# Altium PCB PROC054D_MMWCAS_RF_EVM.PcbDoc (part 3 of 14) (continued)
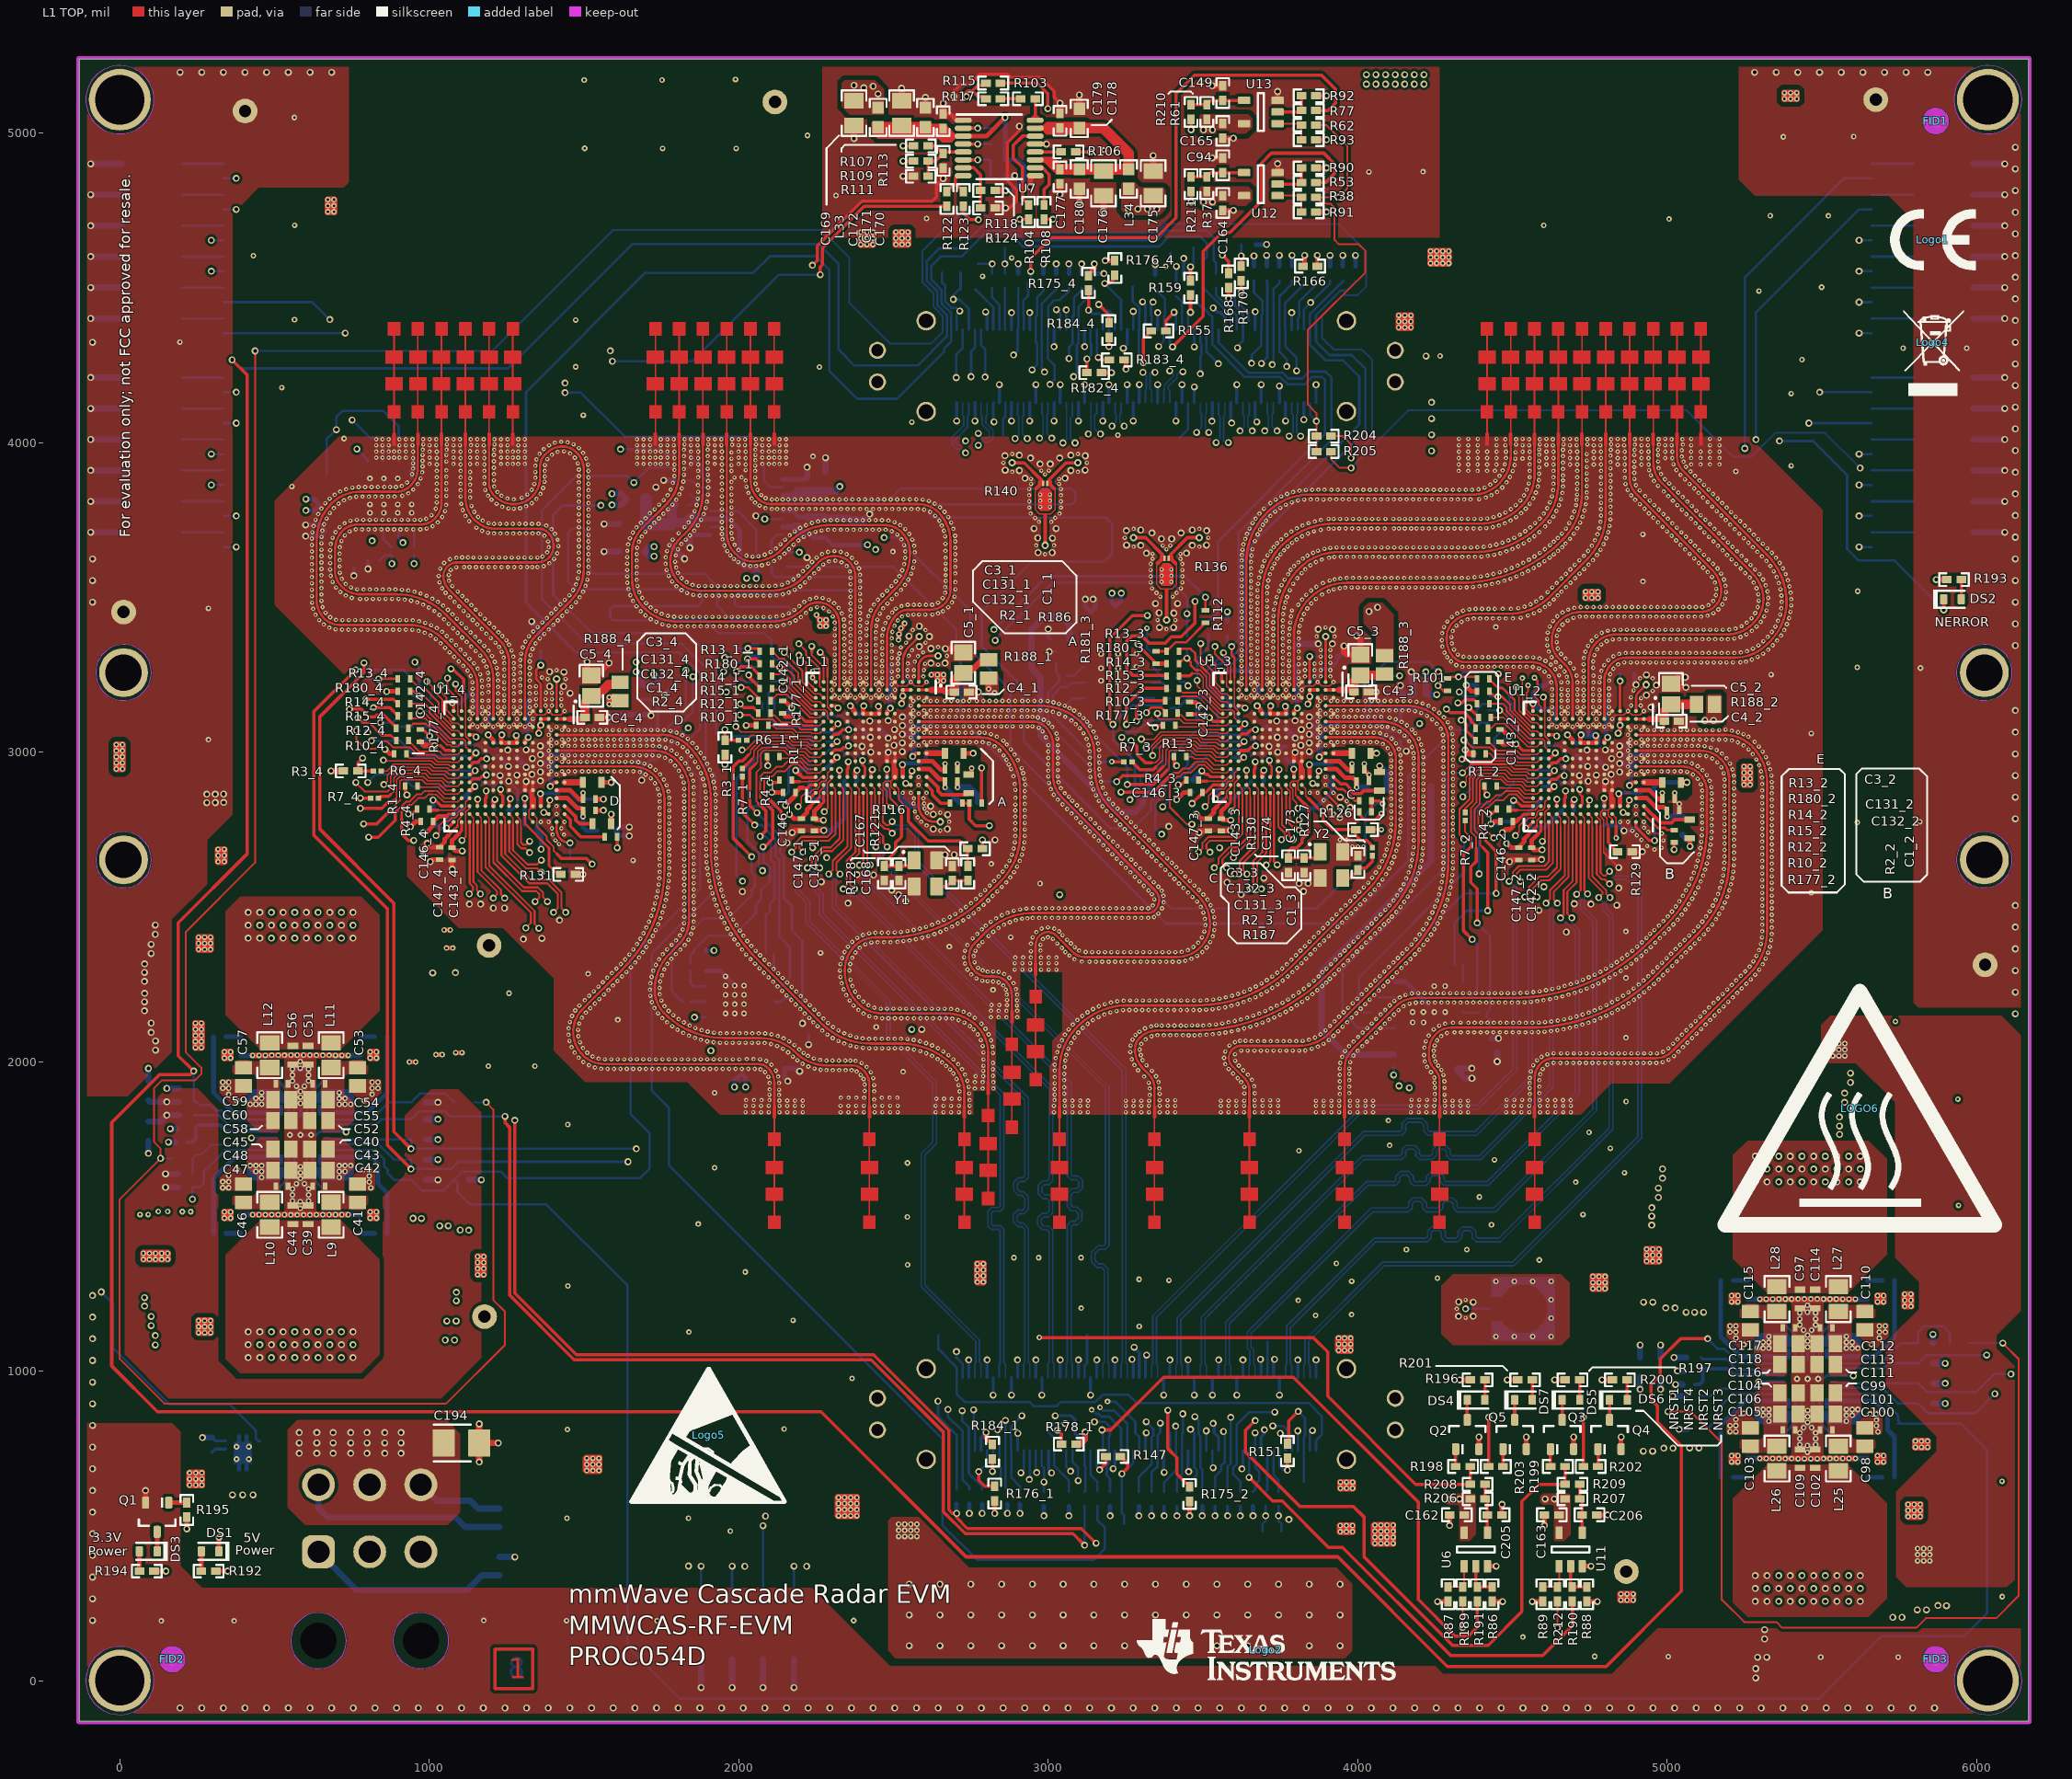
[diagram p0: L1 TOP view]
## Part data (continued)
C39 C44 C51 C56 C97 C102 C109 C114: library part CMP-0860888-1, "CAP, CERM, 6800 pF, 100 V,+/- 10%, X7R, AEC-Q200 Grade 1, 0603", Cap_Case=0603, Manufacturer=MuRata, TempCo=X7R, Tolerance_%=10%, Value2=100V, ValueDisplayed=6800pF, AEC Category=Q200, AEC Grade=1, AEC Qualified=Y, Cap_F=6.8nF, ComponentLink1Description="Datasheet link", ComponentLink1URL=https://www.murata.com/~/media/webrenewal/support/library/catalog/products/capacitor/mlcc/c03e.ashx?la=en-us, CompType=Capacitor, MountType=SMT, PackageReference=0603, PartNumber=GCM188R72A682KA37D, Polarized=N, RoHS=Y, SizeArea_mm2=1.28, SizeAreaWB_mm2=4.68, SizeX_mm=1.6, SizeY_mm=0.8, SizeZ_mm=1, TaMax_C=125°C, TaMin_C=-55°C, Technology=Ceramic, U/M=EA, VDC_V=100V
C40 C41 C45 C46 C52 C53 C57 C58 C98 C99 C103 C104 C110 C111 C115 C116: library part CMP-0008280-2, "CAP, CERM, 100 uF, 6.3 V, +/- 20%, X5R, 0805", Cap_Case=0805, Manufacturer=MuRata, TempCo=X5R, Tolerance_%=20%, Value1=Unknown, Value2=6.3V, ValueDisplayed=100uF, AEC Category=Q200, AEC Qualified=?, Cap_F=100µF, ComponentLink1Description="Datasheet link", ComponentLink1URL=https://sps06.itg.ti.com/sites/KMS/crossdivteams/altium/docs/ComponentDatasheets/100uF_6p3V_0805_GRM21BR60J107M.pdf, CompType=Capacitor, LatestRevisionDate=2017-03-09, MountType=SMT, PackageReference=0805, PartNumber=GRM21BR60J107M, Polarized=N, Published=2008-06-19, Publisher="Texas Instruments", SizeArea_mm2=2.5, SizeAreaWB_mm2=6.75, SizeX_mm=2, SizeY_mm=1.25, SizeZ_mm=1.45, TaMax_C=85°C, TaMin_C=-55°C, Technology=Ceramic, U/M=EA, VDC_V=6.3V
C42 C47 C54 C59 C63 C100 C105 C112 C117 C121: library part CMP-0080702-1, "CAP, CERM, 0.1 µF, 16 V,+/- 5%, X7R, AEC-Q200 Grade 1, 0402", Cap_Case=0402, Manufacturer=MuRata, Supplier Part Number 1=490-16433-1-ND, TempCo=X7R, Tolerance_%=5%, Value2=16V, ValueDisplayed=0.1µF, AEC Category=Q200, AEC Grade=1, AEC Qualified=Y, Cap_F=100nF, ComponentLink1Description="Datasheet link", ComponentLink1URL=https://search.murata.co.jp/Ceramy/image/img/A01X/G101/ENG/GCM155R71C104JA55-01.pdf, CompType=Capacitor, MountType=SMT, PackageReference=0402, PartNumber=GCM155R71C104JA55D, Polarized=N, RoHS=Y, SizeArea_mm2=0.5, SizeAreaWB_mm2=3, SizeX_mm=1, SizeY_mm=0.5, SizeZ_mm=0.6, Supplier 1=Digi-Key, Supplier 2=Mouser, Supplier Part Number 2=81-GCM155R71C104JA5D, TaMax_C=125°C, TaMin_C=-55°C, Technology=Ceramic, U/M=EA, VDC_V=16V
C43 C48 C55 C60 C101 C106 C113 C118: library part CMP-0081849-1, "CAP, CERM, 10 µF,  V,+/- 10%, X7R, 0805", Cap_Case=0805, Manufacturer=MuRata, Supplier Part Number 1=490-10516-2-ND, TempCo=X7R, Tolerance_%=10%, ValueDisplayed=10µF, AEC Category=Q200, AEC Grade=N/A, AEC Qualified=N, Cap_F=10µF, ComponentLink1Description="Datasheet link", ComponentLink1URL=https://search.murata.co.jp/Ceramy/image/img/A01X/G101/ENG/GRM21BR71A106KA73-01.pdf, CompType=Capacitor, Green_EU RoHS=Passed, Green_EU RoHS-2=Incomplete, Green_Lifecycle=Active, Green_REACh=Passed, MountType=SMT, PackageReference=0805, PartNumber=GRM21BR71A106KA73L, Polarized=N, RoHS=Y, SizeArea_mm2=2.5, SizeAreaWB_mm2=6.75, SizeX_mm=2, SizeY_mm=1.25, SizeZ_mm=1.45, Supplier 1=Digi-Key, Supplier 2=Mouser, Supplier Part Number 2=81-GRM21BR71A106KA3L, TaMax_C=125°C, TaMin_C=-55°C, Technology=Ceramic, U/M=EA, VDC_V=10V
C61 C62 C64 C65 C66 C67 C68 C69 C119 C120 C122 C123 C124 C125 C126 C127: library part CMP-0007890-1, "CAP, CERM, 22 uF, 10 V, +/- 20%, X7S, 0805", Cap_Case=0805, Manufacturer=TDK, Supplier Part Number 1=445-14560-1-ND, TempCo=X7S, Tolerance_%=20%, Value1="0.00205 ohm", Value2=10V, ValueDisplayed=22uF, AEC Category=Q200, AEC Grade=N/A, AEC Qualified=N, Cap_F=22µF, ComponentLink1Description="Datasheet link", ComponentLink1URL=https://product.tdk.com/en/search/capacitor/ceramic/mlcc/info?part_no=C2012X7S1A226M125AC, CompType=Capacitor, ESR_ohm=2.05m, IRMS_A=4.5559A, LatestRevisionDate=2017-03-09, MountType=SMT, PackageReference=0805, PartNumber=C2012X7S1A226M125AC, Polarized=N, Published=2008-06-19, Publisher="Texas Instruments", RoHS=Y, SizeArea_mm2=2.5, SizeAreaWB_mm2=6.75, SizeX_mm=2, SizeY_mm=1.25, SizeZ_mm=1.45, Supplier 1=Digi-Key, Supplier 2=Newark, Supplier Part Number 2=05X9251, TaMax_C=125°C, TaMin_C=-55°C, Technology=Ceramic, U/M=EA, VDC_V=10V
C167 C168 C173 C174: library part CMP-0006367-2, "CAP, CERM, 4.7 pF, 50 V, +/- 2%, C0G/NP0, 0402", Cap_Case=0402, Manufacturer=MuRata, Supplier Part Number 1=490-8102-1-ND, TempCo=C0G/NP0, Tolerance_%=2%, Value1=Unknown, Value2=50V, ValueDisplayed=4.7pF, AEC Category=Q200, AEC Grade=N/A, AEC Qualified=N, Cap_F=4.7pF, ComponentLink1Description="Datasheet link", ComponentLink1URL=http://psearch.murata.com/capacitor/product/GJM1555C1H4R7BB01%23.pdf, CompType=Capacitor, LatestRevisionDate=2017-03-09, MountType=SMT, PackageReference=0402, PartNumber=GJM1555C1H4R7BB01D, Polarized=N, Published=2008-06-19, Publisher="Texas Instruments", RoHS=Y, SizeArea_mm2=0.5, SizeAreaWB_mm2=3, SizeX_mm=1, SizeY_mm=0.5, SizeZ_mm=0.6, Supplier 1=Digi-Key, Supplier 2=Mouser, Supplier Part Number 2=81-GJM1555C1H4R7BB01, TaMax_C=125°C, TaMin_C=-55°C, Technology=Ceramic, U/M=EA, VDC_V=50V
C171 C178 C180 C183 C187 C189: library part CMP-0007134-5, "CAP, CERM, 2.2 uF, 6.3 V, +/- 10%, X7R, AEC-Q200 Grade 1, 0603", Cap_Case=0603, Manufacturer=MuRata, Supplier Part Number 1=490-5316-1-ND, TempCo=X7R, Tolerance_%=10%, Value1=Unknown, Value2=6.3V, ValueDisplayed=2.2uF, AEC Category=Q200, AEC Grade=1, AEC Qualified=Y, Cap_F=2.2µF, ComponentLink1Description="Datasheet link", ComponentLink1URL=http://psearch.en.murata.com/capacitor/product/GCM188R70J225KE22%23.pdf, CompType=Capacitor, LatestRevisionDate=2017-03-09, MountType=SMT, PackageReference=0603, PartNumber=GCM188R70J225KE22D, Polarized=N, Published=2008-06-19, Publisher="Texas Instruments", RoHS=Y, SizeArea_mm2=1.28, SizeAreaWB_mm2=4.68, SizeX_mm=1.6, SizeY_mm=0.8, SizeZ_mm=1, Supplier 1=Digi-Key, Supplier 2=Mouser, Supplier Part Number 2=81-GCM188R70J225KE2D, TaMax_C=125°C, TaMin_C=-55°C, Technology=Ceramic, U/M=EA, VDC_V=6.3V
C190 C191 C192 C193 C194: library part CMP-0078216-1, "CAP, TA, 47 µF, 10 V, +/- 10%, SMD", Cap_Case=3528-21, Manufacturer=Kemet, Supplier Part Number 1=399-9728-1-ND, Tolerance_%=10%, Value2=10V, ValueDisplayed=47µF, AEC Category=Q200, AEC Grade=N/A, AEC Qualified=N, Cap_F=47µF, ComponentLink1Description="Datasheet link", ComponentLink1URL=https://content.kemet.com/datasheets/KEM_T2005_T491.pdf, CompType=Capacitor, MountType=SMT, PackageReference=3528-21, PartNumber=T491B476K010AT, Polarized=Y, RoHS=Y, Series=T491, SizeArea_mm2=9.8, SizeAreaWB_mm2=17.1, SizeX_mm=3.5, SizeY_mm=2.8, SizeZ_mm=2.1, Supplier 1=Digi-Key, Supplier 2=Newark, Supplier 3=Mouser, Supplier Part Number 2=57K1819, Supplier Part Number 3=80-T491B476K010, TaMax_C=125°C, TaMin_C=-55°C, Technology=TA, VDC_V=10V
C195 C199: library part CMP-0078218-1, "CAP, CERM, 0.01 µF, 16 V,+/- 10%, X7R, 0402", Cap_Case=0402, Manufacturer=Kemet, Supplier Part Number 1=399-1038-1-ND, TempCo=X7R, Tolerance_%=10%, Value2=16V, ValueDisplayed=0.01µF, AEC Category=Q200, AEC Grade=N/A, AEC Qualified=N, Cap_F=10nF, ComponentLink1Description="Datasheet link", ComponentLink1URL=https://content.kemet.com/datasheets/KEM_C1002_X7R_SMD.pdf, CompType=Capacitor, Green_EU RoHS=Passed, Green_EU RoHS-2=Passed, Green_Lifecycle=Active, Green_REACh=Passed, MountType=SMT, PackageReference=0402, PartNumber=C0402C103K4RACTU, Polarized=N, RoHS=Y, SizeArea_mm2=0.5, SizeAreaWB_mm2=3, SizeX_mm=1, SizeY_mm=0.5, SizeZ_mm=0.6, Supplier 1=Digi-Key, Supplier 2=Newark, Supplier 3=Mouser, Supplier Part Number 2=66W8706, Supplier Part Number 3=80-C0402C103K4R, TaMax_C=125°C, TaMin_C=-55°C, Technology=Ceramic, U/M=EA, VDC_V=16V
DS1 DS2: library part CMP-0078197-1, "LED, Red, SMD", Color=Red, Manufacturer=Vishay-Semiconductor, Power_TotalModule=40mW, Supplier Part Number 1=TLMS1000-GS08CT-ND, Value1=.04W, Value2=1.8V, Angle=160, ComponentLink1Description="Datasheet link", ComponentLink1URL=http://www.vishay.com/docs/83172/tlmo1000.pdf, CompType=LED, Io_A=2mA, Ir_A=10µA, LatestRevisionDate=2017-10-12, MountType=SMT, PackageReference=1.6x0.8mm, PartNumber=TLMS1000-GS08, Published=2008-07-11, Publisher="Texas Instruments", RoHS=Y, SizeArea_mm2=1.28, SizeAreaWB_mm2=4.68, SizeX_mm=1.6, SizeY_mm=0.8, SizeZ_mm=0.65, Supplier 1=Digi-Key, Supplier 2=Newark, Supplier 3=Mouser, Supplier Part Number 2=35M3052, Supplier Part Number 3=78-TLMS1000, TJmax_C=120°C, Type=AlInGaP, U/M=EA, Vf_V=1.8V, Vr_V=6V
DS3 DS4 DS5 DS6 DS7: library part CMP-0078196-1, "LED, Yellow, SMD", Color=yellow, Manufacturer=Vishay-Semiconductor, Power_TotalModule=40mW, Supplier Part Number 1=TLMY1000-GS08CT-ND, Value1=.04W, Value2=1.8V, Angle=160, ComponentLink1Description="Datasheet link", ComponentLink1URL=http://www.vishay.com/docs/83172/tlmo1000.pdf, CompType=LED, Io_A=2mA, Ir_A=10µA, LatestRevisionDate=2017-10-12, MountType=SMT, PackageReference=1.6x0.8mm, PartNumber=TLMY1000-GS08, Published=2008-07-11, Publisher="Texas Instruments", RoHS=Y, SizeArea_mm2=1.28, SizeAreaWB_mm2=4.68, SizeX_mm=1.6, SizeY_mm=0.8, SizeZ_mm=0.65, Supplier 1=Digi-Key, Supplier 2=Newark, Supplier 3=Mouser, Supplier Part Number 2=78Y9599, Supplier Part Number 3=78-TLMY1000, TJmax_C=120°C, Type=AlInGaP, U/M=EA, Vf_V=1.8V, Vr_V=6V
FID1 FID2 FID3 FID4 FID5 FID6: library part CMP-0077181-1, "Fiducial mark.  There is nothing to buy or mount.", Manufacturer=N/A, ClassName=FiducialMark, CompType=Fiducial, MountType=N/A, PackageReference=N/A, PartNumber=N/A
J1_1 J1_2 J1_3 J1_4: library part CMP-0075594-2, "Header, 2.54mm, 6x2, Gold, SMT", Color=Black, Current_A=4.9A, Manufacturer=Samtec, Supplier Part Number 1=TSM-106-01-L-DV-ND, Voltage_V=475V, Cert_CSA=Y, Cert_UL=Y, ClassName=Header, ComponentLink1Description="Datasheet URL", ComponentLink1URL=https://www.samtec.com/ftppub/cpdf/TSM-1XX-XX-XXX-XX-X-XXX-X-MKT.pdf, CompType=Header, ContactFinish=Gold, Gender=Male, Green_EU RoHS=Passed, Green_EU RoHS-2=Passed, Green_Lifecycle=Active, Green_REACh=Passed, MountType=SMT, Orientation=Vertical, PackageReference="Header, 2.54mm, 6x2, SMT", PartNumber=TSM-106-01-L-DV, PinCount=12, Pitch_mm=2.54, RoHS=Y, Row_Count=2, RowSpacing_mm=2.54, Shrouded=N, Supplier 1=Digi-Key, Supplier 2=Newark, Supplier 3=Farnell, Supplier Part Number 2=77P8295, Supplier Part Number 3=1803911
J2: library part CMP-0075593-2, "Header, 2.54mm, 4x2, Gold, SMT", Color=Black, Current_A=4.9A, Manufacturer=Samtec, Supplier Part Number 1=TSM-104-01-L-DV-ND, Voltage_V=475V, Cert_CSA=Y, Cert_UL=Y, ClassName=Header, ComponentLink1Description="Datasheet URL", ComponentLink1URL=https://www.samtec.com/ftppub/cpdf/TSM-1XX-XX-XXX-XX-X-XXX-X-MKT.pdf, CompType=Header, ContactFinish=Gold, Gender=Male, Green_EU RoHS=Passed, Green_EU RoHS-2=Passed, Green_Lifecycle=Active, Green_REACh=Passed, MountType=SMT, Orientation=Vertical, PackageReference="Header, 2.54mm, 4x2, SMT", PartNumber=TSM-104-01-L-DV, PinCount=8, Pitch_mm=2.54, RoHS=Y, Row_Count=2, RowSpacing_mm=2.54, Shrouded=N, Supplier 1=Digi-Key, Supplier 2=Newark, Supplier 3=Farnell, Supplier Part Number 2=77P5924, Supplier Part Number 3=1803506
J3: library part CMP-0055458-1, "Connector, RF 50 Ohms, SMT", Manufacturer=Rosenberger, CNHeader=FALSE, ComponentLink1Description="Datasheet URL", ComponentLink1URL=https://sps06.itg.ti.com/sites/KMS/crossdivteams/altium/docs/ComponentDatasheets/hd19S101-40ML5_e[1].pdf, CompType=Connector, CT=FALSE, LatestRevisionDate=26/05/2017, MountType=SMT, PackageReference="5.2x4.1x5.2 mm", PartNumber=19S101-40ML5, Publisher="Texas Instruments", RoHS=Y
J4 J5: library part CMP-0081853-1, "Header(shrouded), 0.5mm, 60x2, Gold, SMT", Color=Black, Manufacturer="Hirose Electric Co. Ltd.", Supplier Part Number 1=H125039-ND, Cert_UL=Y, ComponentLink1Description="Datasheet URL", ComponentLink1URL=https://www.hirose.com/product/en/download_file/key_name/FX23-120P-0.5SV15/category/Drawing%20(2D)/doc_file_id/41859/?file_category_id=6&item_id=05733006400&is_series=, CompType=Header, ContactFinish=Gold, Gender=Male, MountType=SMT, Orientation=Vertical, PackageReference="Header(shrouded), 0.5mm, 60x2, SMT", PartNumber=FX23-120P-0.5SV15, PinCount=120, Pitch_mm=0.5, RoHS=Y, Row_Count=2, Shrouded=Y, Supplier 1=Digi-Key, Supplier 2=Mouser, Supplier Part Number 2=798-FX23-120P0.5SV15
J6: library part CMP-0082107-1, "Header(shrouded), 4.2mm, 3x2, Tin, R/A, TH", Color=Natural, Current_A=13A, Manufacturer=Molex, Supplier Part Number 1=WM21353-ND, Voltage_V=600V, Cert_CSA=Y, Cert_UL=Y, ComponentLink1Description="Datasheet URL", ComponentLink1URL=https://www.molex.com/pdm_docs/sd/039300060_sd.pdf, CompType=Header, ContactFinish=Tin, Gender=Male, MountType=TH, Orientation=R/A, PackageReference="Header(shrouded), 4.2mm, 3x2, R/A, TH", PartNumber=0039300060, PinCount=6, Pitch_mm=4.2, RoHS=Y, Row_Count=2, RowSpacing_mm=4.2, Shrouded=Y, Supplier 1=Digi-Key, Supplier 2=Newark, Supplier 3=Mouser, Supplier Part Number 2=08R6102, Supplier Part Number 3=538-39-30-0060
L1 L2 L3 L4 L5 L6 L7 L8 L17 L18 L19 L20 L21 L22 L23 L24: library part CMP-0083745-1, "Inductor, Wirewound, Ferrite, 100 nH, 2.85 A, 0.024 ohm, AEC-Q200 Grade 1, SMD", Manufacturer=TDK, Value1="0.024 ohm", Value2=2.85A, ValueDisplayed=100nH, AEC Category=Q200, AEC Grade=1, AEC Qualified=Y, ComponentLink1Description="Datasheet link", ComponentLink1URL=https://product.tdk.com/info/en/catalog/datasheets/inductor_automotive_decoupling_nlcv32-efrd_en.pdf, CompType=Inductor, DCR_ohm=0.024, Imax_A=2.85A, Ind_H=100nH, Irms="2.85A @ 40C rise", Isat="2.85A @ 10% inductance drop", Material=Ferrite, MountType=SMT, PackageReference=3.2x2.2x2.5mm, PartNumber=NLCV32T-R10M-EFRD, RoHS=Y, SizeArea_mm2=7.04, SizeAreaWB_mm2=13.44, SizeX_mm=3.2, SizeY_mm=2.2, SizeZ_mm=2.5, Technology=Wirewound
L9 L10 L11 L12 L25 L26 L27 L28: library part CMP-0003364-1, "Ferrite Bead, 30 ohm @ 100 MHz, 4 A, 0805", Manufacturer=MuRata, Supplier Part Number 1=490-11049-1-ND, Value1="0.014 ohm", Value2=4A, ValueDisplayed="30 ohm", ComponentLink1Description="Datasheet link", ComponentLink1URL=http://www.murata.com/en-us/api/pdfdownloadapi?cate=luNoiseSupprFilteChipFerriBead&partno=BLM21PG300SH1%23, CompType="Ferrite Bead", DCR_ohm=0.014, Imax_A=4A, LatestRevisionDate=2017-03-09, MountType=SMT, PackageReference=0805, PartNumber=BLM21PG300SH1D, Published=2014-04-30, Publisher="Texas Instruments", RoHS=Y, SizeArea_mm2=2.5, SizeAreaWB_mm2=6.75, SizeX_mm=2, SizeY_mm=1.25, SizeZ_mm=1.45, Supplier 1=Digi-Key, Supplier 2=Newark, Supplier 3=Mouser, Supplier Part Number 2=87X8590, Supplier Part Number 3=81-BLM21PG300SH1D, ZTyp@100MHz_Ohm=30
L13 L14 L15 L16 L29 L30 L31 L32: library part CMP-0058944-1, "Inductor, Shielded, 470 nH, 4.7 A, 0.021 ohm, SMD", Manufacturer="MuRata Toko", Value1="0.021 ohm", Value2=4.7A, ValueDisplayed=470nH, AEC Category=Q200, AEC Qualified=?, ComponentLink1Description="Datasheet link", ComponentLink1URL="https://sps06.itg.ti.com/sites/KMS/crossdivteams/altium/docs/ComponentDatasheets/DFE252012PD_Catalouge_20140701 with AEC-Q200.pdf", CompType=Inductor, DCR_ohm=0.021, Imax_A=4.7A, Ind_H=470nH, Irms="4.7A @ 40C rise", Isat="6.1A @ 30% inductance drop", LatestRevisionDate=2017-06-02, Material=?, MountType=SMT, PackageReference=1008, PartNumber=DFE252012PD-R47M, Published=2008-06-26, Publisher="Texas Instruments", RoHS=Y, SizeArea_mm2=5, SizeAreaWB_mm2=10.5, SizeX_mm=2.5, SizeY_mm=2, SizeZ_mm=1.2, Technology=Shielded
L33 L34 L35: library part CMP-0003352-2, "Ferrite Bead, 120 ohm @ 100 MHz, 3 A, 0603", Manufacturer=MuRata, Supplier Part Number 1=490-3996-1-ND, Value1="0.025 ohm", Value2=3A, ValueDisplayed="120 ohm", ComponentLink1Description="Datasheet link", ComponentLink1URL=http://search.murata.co.jp/Ceramy/image/img/PDF/ENG/L0110S0100BLM18S.pdf, CompType="Ferrite Bead", DCR_ohm=0.025, Imax_A=3A, LatestRevisionDate=2017-03-09, MountType=SMT, PackageReference=0603, PartNumber=BLM18SG121TN1D, Published=2014-04-30, Publisher="Texas Instruments", RoHS=Y, SizeArea_mm2=1.28, SizeAreaWB_mm2=4.68, SizeX_mm=1.6, SizeY_mm=0.8, SizeZ_mm=1, Supplier 1=Digi-Key, Supplier 2=Newark, Supplier 3=Mouser, Supplier Part Number 2=73M9122, Supplier Part Number 3=81-BLM18SG121TN1D, ZTyp@100MHz_Ohm=120
Logo1: library part CMP-0074844-1, "CE Mark", LatestRevisionDate=2017-07-06, Lib Reference="CE Mark", PartNumber="CE Mark", Published=2009-03-03, Publisher="Texas Instruments", SymbolCreator=a0412235
Logo2: library part CMP-0074838-1, "Texas Instrument Corporate Signature", ClassName=Logo, LatestRevisionDate=2017-07-06, Lib Reference=TI_Logo, PartNumber="Texas Instruments", Published=2009-03-03, Publisher="Texas Instruments", SymbolCreator=a0412235, SymbolVersion=2011-08-22
Logo3: library part CMP-0074847-1, "FCC_disclaimer", LatestRevisionDate=2017-07-06, Lib Reference=FCC_disclaimer, PartNumber="FCC disclaimer", Published=2009-03-03, Publisher="Texas Instruments"
Logo4: library part CMP-0074769-1, Lib Reference="WEEE logo", PartNumber="WEEE logo"
Logo5: library part CMP-0074840-1, "ESD Susceptible Symbol", LatestRevisionDate=2017-07-06, Lib Reference=ESD_Susceptible, PartNumber="ESD Susceptible", Published=2009-03-03, Publisher="Texas Instruments", SymbolCreator=a0412235, SymbolVersion=2011-08-22
LOGO6: library part CMP-0074837-1, "IEC 61010-1 Hot Surface Warning", LatestRevisionDate=2017-07-06, Lib Reference=IEC_HotSurface, PartNumber="CAUTION HOT SURFACE", Published=2009-03-03, Publisher="Texas Instruments", SymbolCreator=a0412235, SymbolVersion=2011-08-22
Q1 Q2 Q3 Q4 Q5: library part CMP-0000947-2, "MOSFET, N-CH, 100 V, 0.17 A, SOT-23", Alternate Manufacturer=None, Manufacturer="Fairchild Semiconductor", Supplier Part Number 1=BSS123NCT-ND, Value1=1, Value2="1.8 nC", AEC Category=Q101, AEC Qualified=?, ChType=N, ComponentLink1Description="Datasheet link", ComponentLink1URL=http://www.fairchildsemi.com/ds/BS/BSS123.pdf, CompType=MOSFET, IdsMax_A=1.7dA, LatestRevisionDate=2017-03-09, LatestRevisionNote="Added parts.", MountType=SMT, PackageReference=SOT-23, PartNumber=BSS123, Published=2008-06-19, Publisher="Texas Instruments", QgTyp_nC=1.8, Rdson45_ohm=10, RoHS=Y, SizeArea_mm2=7.5, SizeAreaWB_mm2=14, SizeX_mm=2.5, SizeY_mm=3, SizeZ_mm=1.1, Supplier 1=Digi-Key, Supplier 2=Newark, Supplier 3=Mouser, Supplier Part Number 2=58K8768, Supplier Part Number 3=512-BSS123, U/M=EA, VdsMax_V=100V, Vgs_V=20V
R1_1 R1_2 R1_3 R1_4 R2_1 R2_2 R2_3 R2_4 R4_1 R4_2 R4_3 R4_4 R5_1 R5_2 R5_3 R5_4 R8_1 R8_2 R8_3 R8_4 R10_1 R10_2 R10_3 R10_4 R11_1 R11_2 R11_3 R11_4 R12_1 R12_2 R12_3 R12_4 R13_1 R13_2 R13_3 R13_4 R14_1 R14_2 R14_3 R14_4 R15_1 R15_2 R15_3 R15_4: library part CMP-0026299-2, "RES, 33.2, 1%, 0.063 W, AEC-Q200 Grade 0, 0402", Manufacturer=Vishay-Dale, Power_W=63mW, Supplier Part Number 1=541-33.2LCT-ND, TempCo="100 ppm/C", Tolerance_%=1%, Value2=0.063W, Value_Code=33R2, ValueDisplayed=33.2, AEC Category=Q200, AEC Grade=0, AEC Qualified=Y, ComponentLink1Description="Datasheet link", ComponentLink1URL=http://www.vishay.com/docs/20035/dcrcwe3.pdf, CompType=Resistor, EIA_Code=E96, MountType=SMT, PackageReference=0402, PartNumber=CRCW040233R2FKED, Res_ohm=33.2, RoHS=E, SizeArea_mm2=0.5, SizeX_mm=1, SizeY_mm=0.5, SizeZ_mm=0.6, Supplier 1=Digi-Key, Supplier 2=Newark, Supplier 3=Mouser, Supplier Part Number 2=52K6980, Supplier Part Number 3=71-CRCW0402-33.2-E3, Technology="Thick Film", Value1=1%, VDC_V=50V
R3_1 R3_2 R3_3 R3_4: library part CMP-0026395-2, "RES, 47.5 k, 1%, 0.063 W, AEC-Q200 Grade 0, 0402", Manufacturer=Vishay-Dale, Power_W=63mW, Supplier Part Number 1=541-47.5KLCT-ND, TempCo="100 ppm/C", Tolerance_%=1%, Value2=0.063W, Value_Code=47k5, ValueDisplayed=47.5k, AEC Category=Q200, AEC Grade=0, AEC Qualified=Y, ComponentLink1Description="Datasheet link", ComponentLink1URL=http://www.vishay.com/docs/20035/dcrcwe3.pdf, CompType=Resistor, EIA_Code=E96, MountType=SMT, PackageReference=0402, PartNumber=CRCW040247K5FKED, Res_ohm=47.5k, RoHS=E, SizeArea_mm2=0.5, SizeX_mm=1, SizeY_mm=0.5, SizeZ_mm=0.6, Supplier 1=Digi-Key, Supplier 2=Newark, Supplier 3=Mouser, Supplier Part Number 2=52K7100, Supplier Part Number 3=71-CRCW0402-47.5K-E3, Technology="Thick Film", Value1=1%, VDC_V=50V
R6_1 R6_2 R6_3 R6_4 R7_1 R7_2 R7_3 R7_4 R30_1 R30_2 R30_3 R30_4 R31_1 R31_2 R31_3 R31_4 R32_1 R32_2 R32_3 R32_4 R33_1 R33_2 R33_3 R33_4 R127: library part CMP-0027008-4, "RES, 0, 5%, 0.05 W, 0201", Manufacturer=Vishay-Dale, Power_W=50mW, Supplier Part Number 1=72M6743, TempCo=ppm/C, Tolerance_%=5%, Value2=0.05W, Value_Code=0000, ValueDisplayed=0, AEC Category=Q200, AEC Grade=N/A, AEC Qualified=N, ComponentLink1Description="Datasheet link", ComponentLink1URL=http://www.vishay.com/docs/20052/crcw0201e3.pdf, CompType=Resistor, EIA_Code=E24, MountType=SMT, PackageReference=0201, PartNumber=CRCW02010000Z0ED, Res_ohm=0, RoHS=E, SizeArea_mm2=0.18, SizeX_mm=0.6, SizeY_mm=0.3, SizeZ_mm=0.26, Supplier 1=Newark, Technology="Thick Film", Value1=5%
R9_1 R9_2 R9_3 R9_4 R107 R109 R115 R116 R117 R121 R122 R123 R126 R128 R129 R130 R131 R142 R143 R145 R146 R165 R169 R170 R171 R172 R186 R187 R204 R205 R208 R209 R210 R211 R213 R214: library part CMP-0026992-3, "RES, 0, 5%, 0.1 W, AEC-Q200 Grade 0, 0402", Manufacturer=Panasonic, Power_W=100mW, Supplier Part Number 1=P0.0JCT-ND, TempCo="600 ppm/C", Tolerance_%=5%, Value2=0.1W, Value_Code=0000, ValueDisplayed=0, AEC Category=Q200, AEC Grade=0, AEC Qualified=Y, ComponentLink1Description="Datasheet link", ComponentLink1URL=https://industrial.panasonic.com/cdbs/www-data/pdf/RDA0000/AOA0000C301.pdf, CompType=Resistor, EIA_Code=E24, MountType=SMT, PackageReference=0402, PartNumber=ERJ-2GE0R00X, Res_ohm=0, RoHS=Y, SizeArea_mm2=0.5, SizeAreaWB_mm2=3, SizeX_mm=1, SizeY_mm=0.5, SizeZ_mm=0.6, Supplier 1=Digi-Key, Supplier 2=Newark, Supplier 3=Mouser, Supplier Part Number 2=65T8307, Supplier Part Number 3=667-ERJ-2GE0R00X, Technology="Thick Film", Value1=5%, VDC_V=50V
R16_1 R16_2 R16_3 R16_4 R17_1 R17_2 R17_3 R17_4 R18_1 R18_2 R18_3 R18_4 R27_1 R27_2 R27_3 R27_4 R28_1 R28_2 R28_3 R28_4 R37 R49 R50 R51 R54 R55 R56 R57 R58 R61 R74 R78 R80 R81 R86 R87 R88 R89 R90 R91 R92 R93 R94 R95 R118 R119 R120 R124 R137 R138 R139 R141 R144 R147 R148 R149 R150 R151 R152 R153 R155 R157 R159 R161 R162 R163 R174_1 R174_2 R174_3 R174_4 R176_1 R176_2 R176_3 R176_4 R177_1 R177_2 R177_3 R177_4 R184_1 R184_2 R184_3 R184_4 R185_1 R185_2 R185_3 R185_4 R206 R207: library part CMP-0025958-3, "RES, 10.0 k, 1%, 0.063 W, AEC-Q200 Grade 0, 0402", Manufacturer=Vishay-Dale, Power_W=63mW, Supplier Part Number 1=541-10.0KLCT-ND, TempCo="100 ppm/C", Tolerance_%=1%, Value2=0.063W, Value_Code=10k0, ValueDisplayed=10.0k, AEC Category=Q200, AEC Grade=0, AEC Qualified=Y, ComponentLink1Description="Datasheet link", ComponentLink1URL=http://www.vishay.com/docs/20035/dcrcwe3.pdf, CompType=Resistor, EIA_Code=E96, MountType=SMT, PackageReference=0402, PartNumber=CRCW040210K0FKED, Res_ohm=10k, RoHS=E, SizeArea_mm2=0.5, SizeX_mm=1, SizeY_mm=0.5, SizeZ_mm=0.6, Supplier 1=Digi-Key, Supplier 2=Newark, Supplier 3=Mouser, Supplier Part Number 2=52K6595, Supplier Part Number 3=71-CRCW0402-10K-E3, Technology="Thick Film", Value1=1%, VDC_V=50V
R19 R20 R35 R188_1 R188_2 R188_3 R188_4: library part CMP-0081857-1, "RES, 0, 0%,  W, AEC-Q200 Grade 0, 0805", Manufacturer=Rohm, Supplier Part Number 1=755-PMR10EZPJ000, Tolerance_%=0%, Value2=W, Value_Code=0, AEC Category=Q200, AEC Grade=0, AEC Qualified=Y, ComponentLink1Description="Datasheet link", ComponentLink1URL=http://www.rohm.com/web/global/datasheet/PMR10EZPJ000/pmr-jpw-e, CompType=Resistor, MountType=SMT, PackageReference=0805, PartNumber=PMR10EZPJ000, Res_ohm=0, RoHS=Y, SizeArea_mm2=2.5, SizeAreaWB_mm2=6.75, SizeX_mm=2, SizeY_mm=1.25, SizeZ_mm=1.45, Supplier 1=Mouser, Technology="Thick Film", Value1=0%, ValueDisplayed=0
R21_1 R21_2 R21_3 R21_4 R22_1 R22_2 R22_3 R22_4 R23_1 R23_2 R23_3 R23_4 R24_1 R24_2 R24_3 R24_4 R25_1 R25_2 R25_3 R25_4 R26_1 R26_2 R26_3 R26_4 R43 R45 R48 R52 R67 R69 R72 R76: library part CMP-0026822-3, "RES, 0, 5%, 0.063 W, AEC-Q200 Grade 0, 0402", Manufacturer=Vishay-Dale, Power_W=63mW, Supplier Part Number 1=541-0.0JCT-ND, TempCo="200 ppm/C", Tolerance_%=5%, Value2=0.063W, Value_Code=0000, ValueDisplayed=0, AEC Category=Q200, AEC Grade=0, AEC Qualified=Y, ComponentLink1Description="Datasheet link", ComponentLink1URL=http://www.vishay.com/docs/20035/dcrcwe3.pdf, CompType=Resistor, EIA_Code=E24, MountType=SMT, PackageReference=0402, PartNumber=CRCW04020000Z0ED, Res_ohm=0, RoHS=E, SizeArea_mm2=0.5, SizeX_mm=1, SizeY_mm=0.5, SizeZ_mm=0.6, Supplier 1=Digi-Key, Supplier 2=Newark, Supplier 3=Mouser, Supplier Part Number 2=52K6543, Supplier Part Number 3=71-CRCW0402-0-E3, Technology="Thick Film", Value1=5%, VDC_V=50V
R29_1 R29_2 R29_3 R29_4: library part CMP-0020443-3, "RES, 0, 5%, 0.333 W, AEC-Q200 Grade 0, 0805", Manufacturer=Vishay-Dale, Power_W=333mW, Supplier Part Number 1=541-0.0TBCT-ND, TempCo="200 ppm/C", Tolerance_%=5%, Value2=0.333W, Value_Code=0000, ValueDisplayed=0, AEC Category=Q200, AEC Grade=0, AEC Qualified=Y, ComponentLink1Description="Datasheet link", ComponentLink1URL=http://www.vishay.com/docs/20043/crcwhpe3.pdf, CompType=Resistor, EIA_Code=E24, MountType=SMT, PackageReference=0805, PartNumber=CRCW08050000Z0EAHP, Res_ohm=0, RoHS=E, SizeArea_mm2=2.5, SizeX_mm=2, SizeY_mm=1.25, SizeZ_mm=1.45, Supplier 1=Digi-Key, Supplier 2=Newark, Supplier 3=Mouser, Supplier Part Number 2=68R2993, Supplier Part Number 3=71-CRCW08050000Z0EAH, Technology="Thick Film", Value1=5%, VDC_V=150V
R34 R59: library part CMP-0022170-4, "RES, 1.00, 1%, 0.1 W, AEC-Q200 Grade 0, 0603", Manufacturer=Vishay-Dale, Power_W=100mW, Supplier Part Number 1=52K8059, TempCo="100 ppm/C", Tolerance_%=1%, Value2=0.1W, Value_Code=1R00, ValueDisplayed=1.00, AEC Category=Q200, AEC Grade=0, AEC Qualified=Y, ComponentLink1Description="Datasheet link", ComponentLink1URL=http://www.vishay.com/docs/20035/dcrcwe3.pdf, CompType=Resistor, EIA_Code=E96, MountType=SMT, PackageReference=0603, PartNumber=CRCW06031R00FKEA, Res_ohm=1, RoHS=E, SizeArea_mm2=1.28, SizeX_mm=1.6, SizeY_mm=0.8, SizeZ_mm=1, Supplier 1=Newark, Supplier 2=Mouser, Supplier 3=Farnell, Supplier Part Number 2=71-CRCW06031R00FKEA, Supplier Part Number 3=1616871, Technology="Thick Film", Value1=1%, VDC_V=75V
R36 R60: library part CMP-0022137-4, "RES, 1.96 k, 1%, 0.1 W, AEC-Q200 Grade 0, 0603", Manufacturer=Vishay-Dale, Power_W=100mW, Supplier Part Number 1=541-1.96KHCT-ND, TempCo="100 ppm/C", Tolerance_%=1%, Value2=0.1W, Value_Code=1k96, ValueDisplayed=1.96k, AEC Category=Q200, AEC Grade=0, AEC Qualified=Y, ComponentLink1Description="Datasheet link", ComponentLink1URL=http://www.vishay.com/docs/20035/dcrcwe3.pdf, CompType=Resistor, EIA_Code=E96, MountType=SMT, PackageReference=0603, PartNumber=CRCW06031K96FKEA, Res_ohm=1.96k, RoHS=E, SizeArea_mm2=1.28, SizeX_mm=1.6, SizeY_mm=0.8, SizeZ_mm=1, Supplier 1=Digi-Key, Supplier 2=Newark, Supplier 3=Mouser, Supplier Part Number 2=52K8051, Supplier Part Number 3=71-CRCW0603-1.96K-E3, Technology="Thick Film", Value1=1%, VDC_V=75V